# Altium PCB MAIN_BORAD.PcbDoc (part 3 of 3)
Units mm, origin at the board's own origin, x right, y up, seen from the top; angles counter-clockwise.
Board outline 92 x 100 mm, 2 copper layers (Top Layer, Bottom Layer), stack 1.471 mm thick; 222 components, 159 nets, 798 pads, 557 vias.
Unrouted connection lines stored in the file: 1.
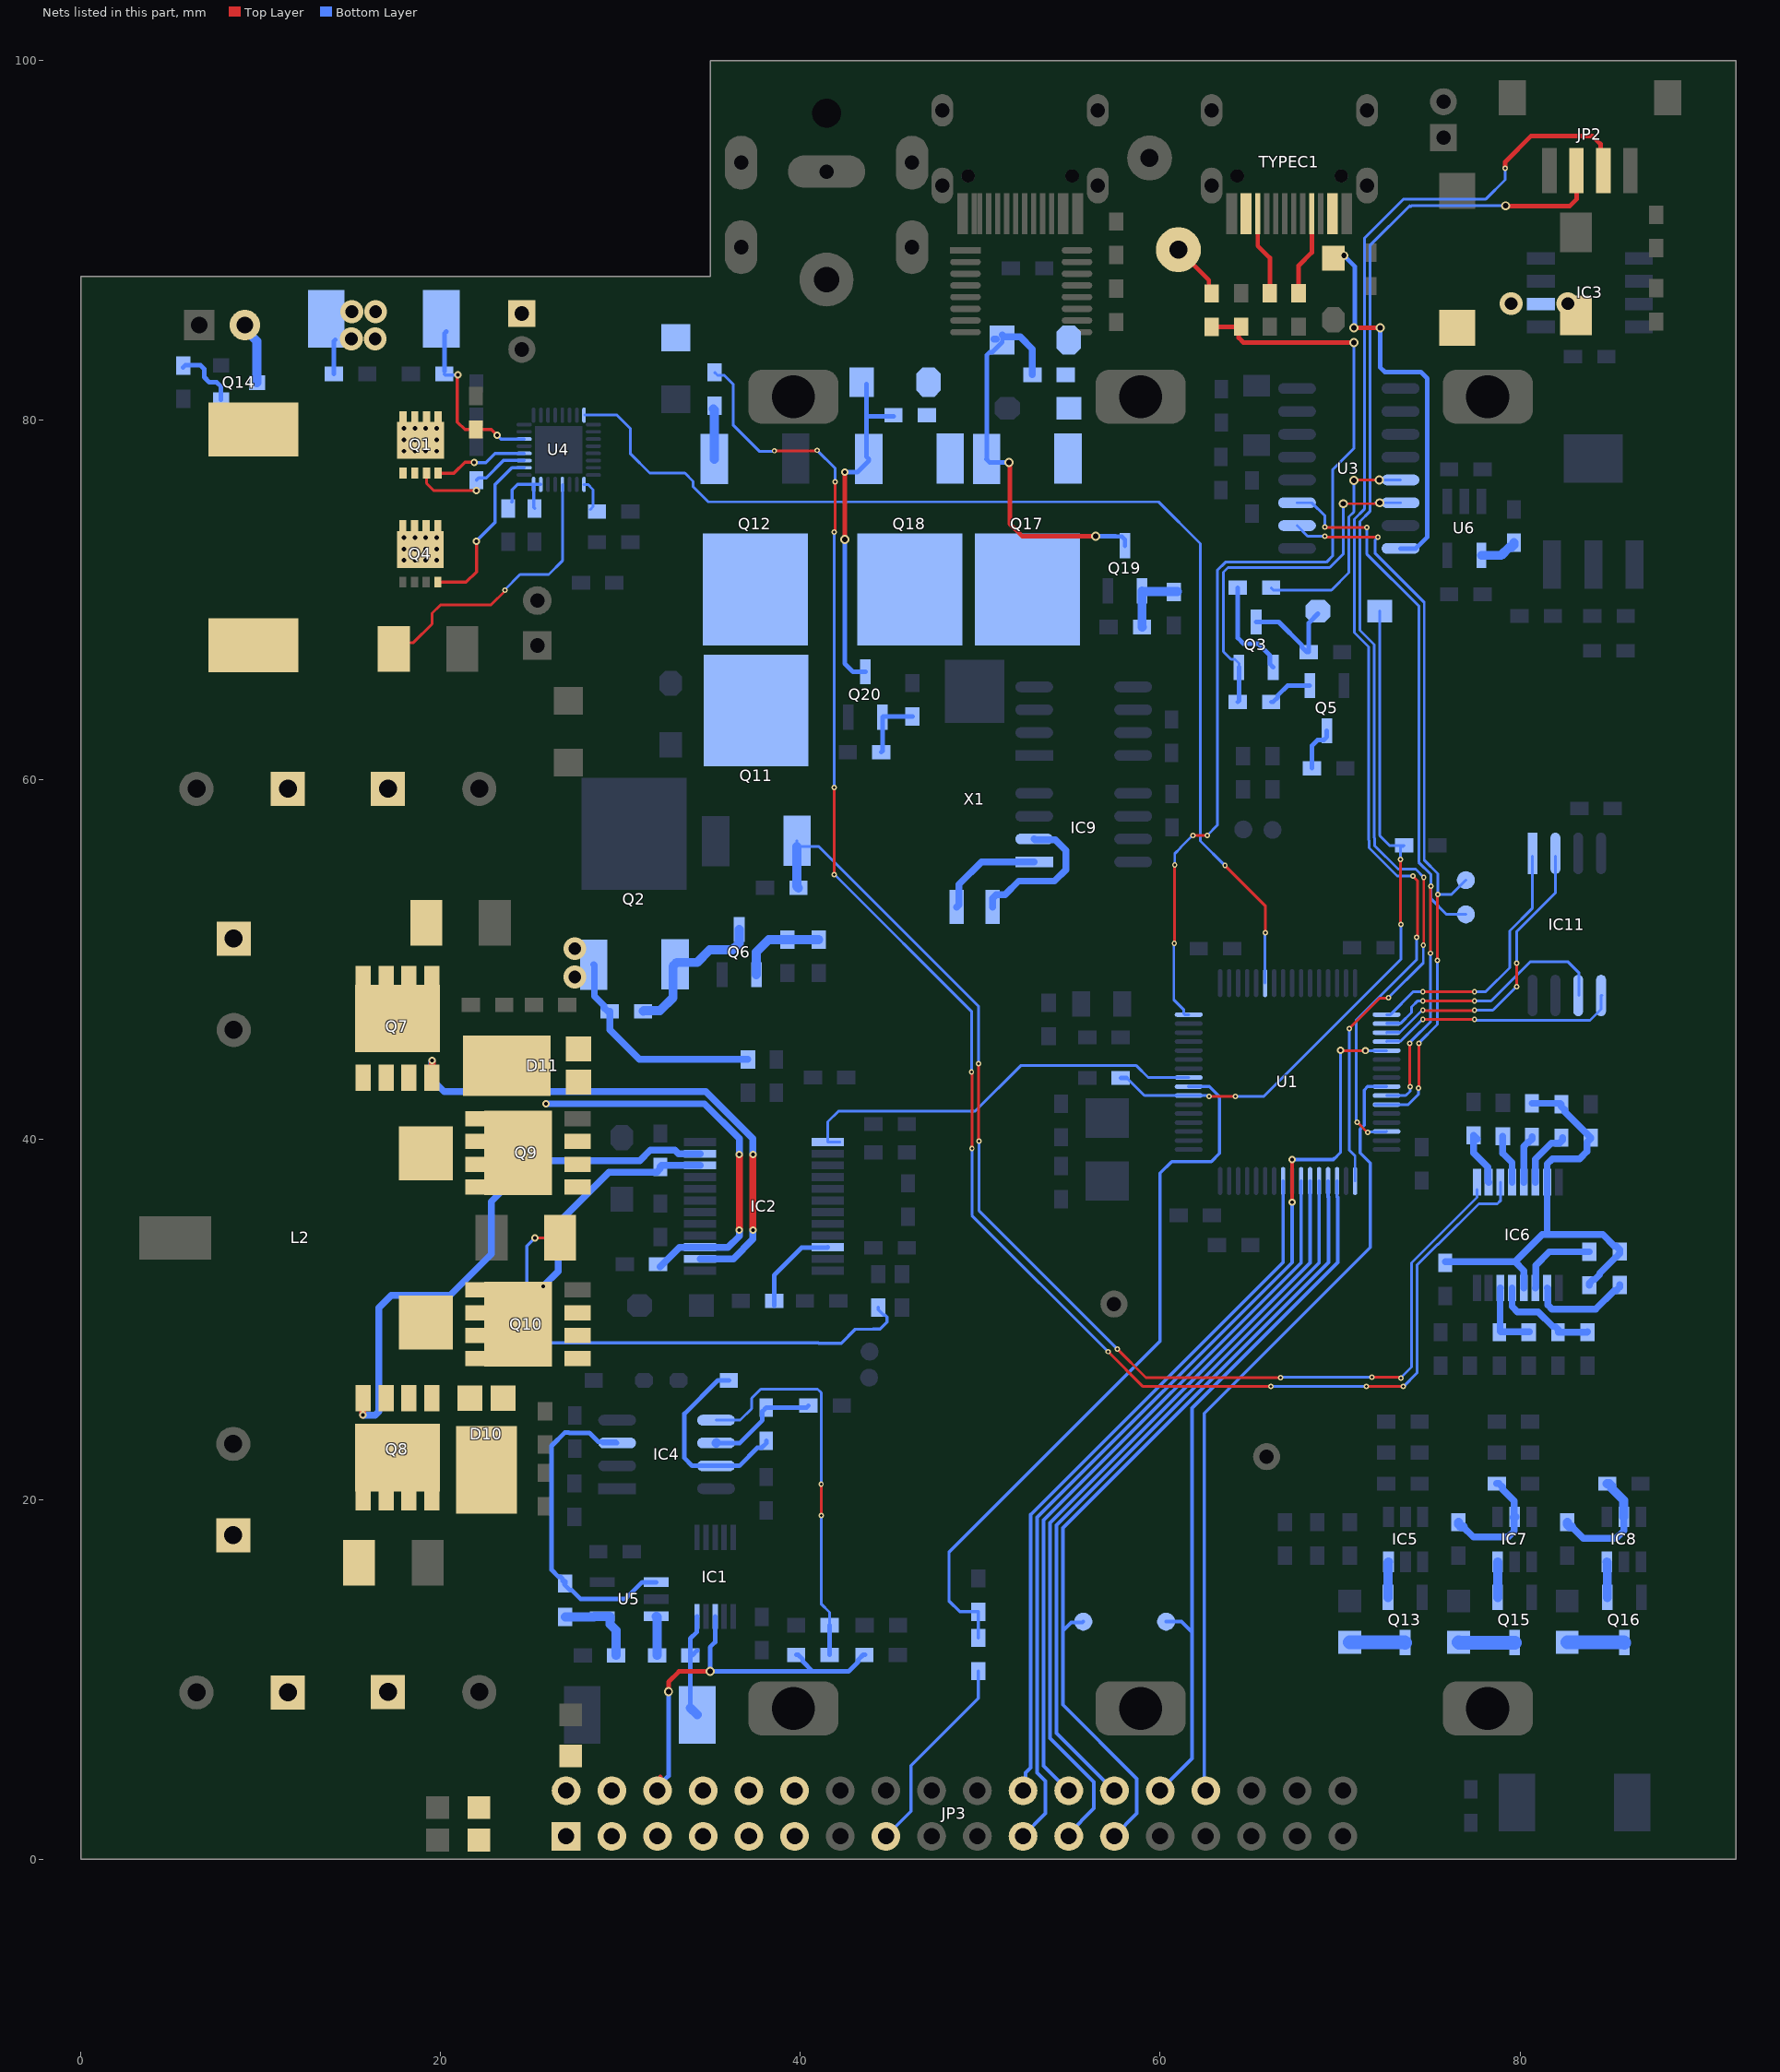
[diagram p3: the nets of this part, all layers, seen from the top]

## Via types
v1: diameter 0.305, hole 0.152, Top Layer to Bottom Layer, 193 vias
v2: diameter 0.508, hole 0.254, Top Layer to Bottom Layer, 114 vias
v3: diameter 0.406, hole 0.203, Top Layer to Bottom Layer, 102 vias
v4: diameter 2.032, hole 1.016, Top Layer to Bottom Layer, 73 vias
v5: diameter 1.27, hole 0.635, Top Layer to Bottom Layer, 35 vias
v6: diameter 0.508, hole 0.305, Top Layer to Bottom Layer, 25 vias
v7: diameter 1.27, hole 0.711, Top Layer to Bottom Layer, 14 vias
v8: diameter 0.762, hole 0.381, Top Layer to Bottom Layer, 1 vias

## Nets (pads, with @x,y where several pads share a name; then routed paths per layer and width w, separated by ;. In a path a pad name is that pad's centre, name@x,y a point inside that pad or via, vN(x,y) a via of type N, cw(c..) or ccw(c..) an arc to the next point about the centre after c; other vN are vias at no path point) (continued)
NetC43_2: C43.2 IC6.14 R43.2 | length 4.1
  Bottom Layer w0.381: IC6.14@78.908,31.758 78.892,31.743 78.892,29.35 78.918,29.324 R43.2@80.518,29.324
NetC44_2: C44.2 IC6.13 R44.2 | length 5.9
  Bottom Layer w0.381: IC6.13@79.558,31.758 79.558,30.729 79.858,30.429 81.013,30.429 81.826,29.616 81.953,29.616 82.144,29.426 82.144,29.299 83.718,29.299 R44.2@83.744,29.324
NetC48_2: C48.2 C49.2 C50.2 IC6.7 IC6.12 R48.1 R51.1 R53.1 | length 26.6
  Bottom Layer w0.381: C48.2@75.844,33.211 79.718,33.211 ; IC6.12@80.208,31.758 80.208,32.72 79.718,33.211 ; C49.2@80.67,42.024 82.245,42.024 C50.2@82.296,41.974 82.296,41.846 82.486,41.656 82.486,41.554 R53.1@83.922,40.119 83.922,40.053 83.73,39.862 83.73,39.356 83.318,38.945 81.807,38.945 81.508,38.646 IC6.7@81.508,37.634 81.508,34.747 81.483,34.722 ; R48.1@83.845,31.915 83.845,32.023 84.055,32.233 84.163,32.233 84.43,32.499 84.43,32.588 85.306,33.465 85.338,33.465 85.547,33.674 R51.1@85.547,33.782 85.547,33.89 85.338,34.099 85.23,34.099 84.607,34.722 81.483,34.722 ; 79.718,33.211 81.229,34.722 81.483,34.722
NetC49_1: C49.1 IC6.5 | length 2.8
  Bottom Layer w0.381: IC6.5@80.208,37.634 80.208,39.629 80.431,39.853 80.48,39.853 80.67,40.043 C49.1@80.67,40.17
NetC50_1: C50.1 IC6.6 | length 3.4
  Bottom Layer w0.381: IC6.6@80.858,37.634 80.858,38.923 81.737,39.802 82.182,39.802 82.372,39.992 C50.1@82.372,40.119
NetC51_1: C51.1 D9.1 IC4.7 | length 11.1
  Bottom Layer w0.254: D9.1@36.022,26.619 35.408,26.619 33.553,24.765 33.553,22.301 33.985,21.869 IC4.7@35.313,21.869 36.601,21.869 37.605,22.873 37.846,22.873 38.1,23.127 C51.1@38.1,23.254
NetC51_2: C51.2 IC4.6 R50.2 | length 6.3
  Bottom Layer w0.254: IC4.6@35.313,23.139 36.627,23.139 37.888,24.4 37.888,24.896 C51.2@38.1,25.108 40.335,25.108 R50.2@40.45,25.222
  Bottom Layer w0.508: IC4.6@35.313,23.139 IC4.6@35.33,23.157
NetC52_2: C52.2 IC7.2 R49.2 | length 6.8
  Bottom Layer w0.381: R49.2@76.835,18.478 77.406,17.907 79.35,17.907 79.68,18.237 IC7.2@79.68,19.005 ; C52.2@78.708,20.879 78.835,20.879 79.026,20.688 79.026,20.561 79.671,19.917 79.671,19.065 IC7.2@79.705,19.03
  Bottom Layer w0.508: R49.2@76.581,18.732 76.581,18.624 76.727,18.478 R49.2@76.835,18.478 ; IC7.2@79.68,19.005 IC7.2@79.705,19.03
NetC56_2: C56.2 U6.4 | length 2.2
  Bottom Layer w0.508: U6.4@77.861,72.49 78.955,72.49 79.4,72.936 79.527,72.936 79.654,73.063 C56.2@79.654,73.19
NetC57_2: C57.2 IC8.2 R62.2 | length 6.8
  Bottom Layer w0.381: R62.2@82.88,18.479 83.528,17.831 85.345,17.831 85.777,18.263 IC8.2@85.776,19.03
  Bottom Layer w0.508: R62.2@82.626,18.732 82.626,18.625 82.772,18.479 R62.2@82.88,18.479 ; C57.2@84.849,20.879 84.976,20.879 85.103,20.752 85.103,20.625 85.768,19.959 85.768,19.037 IC8.2@85.776,19.03
NetD2_2: D2.2 Q3.3 R1.1 | length 6
  Bottom Layer w0.254: Q3.3@65.329,68.783 66.587,68.783 67.882,67.488 67.882,67.38 68.155,67.107 R1.1@68.263,67.107 68.263,68.736 D2.2@68.77,69.244
NetD7_2: D7.2 IC3.2 L3.1
  other v7: 79.502,86.487 82.652,86.487
NetDZ1_1: DZ1.1 Q17.1 Q19.3 R14.1 | length 22.8
  Top Layer w0.254: v6(51.587,77.65) 51.587,77.582 51.638,77.531 51.638,74.244 52.324,73.558 v6(56.408,73.558)
  Bottom Layer w0.254: DZ1.1@51.221,84.734 51.221,84.345 50.648,83.772 50.503,83.772 50.354,83.623 Q17.1@50.354,77.845 50.343,77.834 50.526,77.65 v6(51.587,77.65) ; v6(56.408,73.558) 57.506,73.558 57.524,73.54 57.866,73.54 58.039,73.367 Q19.3@58.039,73.025
  Bottom Layer w0.381: DZ1.1@50.754,84.521 DZ1.1@50.879,84.521 ; DZ1.1@51.221,84.734 51.323,84.633 52.222,84.633 52.895,83.96 R14.1@52.895,82.525
NetDZ2_1: DZ2.1 Q18.1 Q20.3 R69.1 | length 19.4
  Top Layer w0.254: v6(42.469,73.381) v3(42.469,77.114)
  Bottom Layer w0.254: v6(42.469,73.381) 42.469,66.472 42.927,66.014 Q20.3@43.612,66.014 ; v3(42.469,77.114) 43.166,77.114 43.801,77.749 Q18.1@43.801,77.845 43.662,77.984 43.662,80.264 ; DZ2.1@43.662,82.017 43.662,80.264 ; R69.1@45.187,80.226 43.7,80.226 43.662,80.264
NetFAN_2: FAN.2 Q14.3 | length 3.5
  Bottom Layer w0.508: FAN.2@9.119,85.293 9.119,85.069 9.788,84.4 Q14.3@9.788,82.093
NetIC2_10: IC2.10 R24.1 | length 5.3
  Bottom Layer w0.254: R24.1@38.544,30.759 R24.1@38.544,31.039 38.544,32.474 40.069,33.998 41.499,33.998 IC2.10@41.523,34.022
NetIC4_3: IC4.3 R34.2 U5.1 | length 19.1
  Bottom Layer w0.254: R34.2@26.784,15.469 R34.2@26.924,15.329 26.924,15.437 26.651,15.71 26.543,15.71 26.162,16.091 26.162,22.979 26.912,23.729 27.122,23.729 27.153,23.698 28.27,23.698 28.763,23.206 29.747,23.206 IC4.3@29.813,23.139 IC4.3@29.007,23.139 ; R34.2@26.87,15.275 27.197,14.948 27.305,14.948 27.775,14.478 30.277,14.478 31.201,15.403 U5.1@31.98,15.403
NetIC4_5: IC4.5 R46.1 R52.2 | length 21.8
  Top Layer w0.152: v1(41.148,20.853) 41.161,20.84 v1(41.161,19.101)
  Bottom Layer w0.152: IC4.5@35.313,24.409 36.652,24.409 37.287,25.044 37.287,25.629 37.795,26.137 40.957,26.137 41.161,25.933 41.161,24.778 41.148,24.766 41.148,20.956 41.173,20.93 41.173,20.879 v1(41.148,20.853) ; v1(41.161,19.101) 41.161,14.212 41.148,14.199 41.618,13.729 R52.2@41.618,13.007
  Bottom Layer w0.254: R46.1@41.618,11.364 R52.2@41.618,13.005
NetIC5_6: IC5.6 Q13.1 | length 2
  Bottom Layer w0.508: Q13.1@72.659,14.554 72.659,16.505 IC5.6@72.685,16.53
NetIC6_1: IC6.1 Q11.1 R39.2 | length 67.4
  Top Layer w0.152: v1(49.911,44.221) 49.911,39.954 v1(49.936,39.929) ; v1(57.607,28.372) 59.207,26.772 v1(66.7,26.772) ; v1(71.768,26.797) 73.33,26.797 v1(73.381,26.746)
  Bottom Layer w0.152: Q11.1@39.808,56.622 39.808,56.312 41.011,56.312 42.443,54.88 48.801,48.522 49.911,47.412 v1(49.911,44.221) ; v1(49.936,39.929) 49.936,36.043 v1(57.607,28.372) ; v1(66.7,26.772) 66.726,26.797 v1(71.768,26.797) ; v1@73.381,26.772 73.965,27.356 73.965,33.157 77.608,36.801 IC6.1@77.608,37.235
  Bottom Layer w0.508: Q11.1@39.808,56.312 39.808,54.083 R39.2@39.891,54
NetIC6_2: IC6.2 R38.2 | length 3.3
  Bottom Layer w0.381: R38.2@77.629,40.037 R38.2@77.419,40.246 77.419,39.271 78.223,38.466 78.223,37.669 IC6.2@78.258,37.634
NetIC6_3: IC6.3 R41.1 | length 97.2
  Top Layer w0.152: v1(38.557,78.308) 40.894,78.308 v1(40.919,78.334) ; v1(41.877,54.744) v1(41.877,59.588) ; v1@41.91,73.787 41.935,73.812 v1(41.935,76.581) ; v1(49.505,43.764) 49.53,43.739 v1(49.53,39.522) ; v1@57.074,28.245 v1(57.099,28.219) 59.042,26.276 v1(66.142,26.276) ; v1(71.45,26.276) v1(73.52,26.276)
  Bottom Layer w0.152: R41.1@35.23,82.664 35.391,82.503 35.769,82.503 36.255,82.017 36.255,79.738 37.711,78.283 38.532,78.283 v1(38.557,78.308) ; v1(40.919,78.334) 41.935,77.318 v1(41.935,76.581) ; v1(41.877,54.744) 41.903,54.744 49.505,47.142 v1(49.505,43.764) ; v1(41.877,59.588) v1(41.877,73.787) ; v1(49.53,39.522) 49.53,35.789 v1(57.099,28.219) ; v1(66.142,26.276) v1(71.45,26.276) ; v1(73.52,26.276) 74.27,27.026 74.27,33.031 75.427,34.188 75.462,34.188 77.711,36.437 78.744,36.437 78.908,36.601 IC6.3@78.908,37.634
NetIC6_4: IC6.4 R47.2 | length 2.8
  Bottom Layer w0.381: R47.2@79.045,40.196 79.045,39.243 79.558,38.73 IC6.4@79.558,37.634
NetIC6_10: IC6.10 R51.2 | length 5.7
  Bottom Layer w0.381: IC6.10@81.508,31.758 81.543,31.724 81.543,30.821 81.782,30.582 84.201,30.582 85.23,31.61 85.338,31.61 85.547,31.82 R51.2@85.547,31.928
NetIC6_11: IC6.11 R48.2 | length 4.6
  Bottom Layer w0.381: IC6.11@80.858,31.758 80.874,31.774 80.874,33.02 81.623,33.769 R48.2@83.845,33.769
NetIC7_6: IC7.6 Q15.1 | length 2
  Bottom Layer w0.508: Q15.1@78.755,14.554 IC7.6@78.755,16.53
NetIC8_6: IC8.6 Q16.1 | length 2
  Bottom Layer w0.508: IC8.6@84.826,16.53 84.851,16.505 Q16.1@84.851,14.554
NetIC9_1: IC9.1 X1.1 | length 6
  Bottom Layer w0.381: X1.1@48.682,52.934 48.814,53.065 48.814,54.199 50.063,55.448 IC9.1@52.996,55.448
NetIC9_2: IC9.2 X1.2 | length 8.3
  Bottom Layer w0.381: X1.2@50.682,52.934 50.682,53.422 50.892,53.632 51.381,53.632 52.13,54.381 54.115,54.381 54.75,55.016 54.75,56.093 54.166,56.676 53.038,56.676 IC9.2@52.996,56.718
NetL1_2: L1.2 R7.1 U4.20 | length 15.9
  Top Layer w0.152: R7.1@17.59,67.285 17.945,67.64 18.491,67.64 19.528,68.677 19.528,69.268 19.983,69.723 22.784,69.723 23.597,70.536 v1(23.571,70.561)
  Bottom Layer w0.152: v1(23.571,70.561) 23.571,70.587 24.409,71.425 26.006,71.425 26.768,72.187 U4.20@26.768,76.434
NetQ1_4: Q1.4 U4.28 | length 5.4
  Top Layer w0.178: Q1.4@19.863,77.064 20.752,77.064 21.361,77.673 21.844,77.673 v3(21.869,77.648)
  Top Layer w0.254: Q1.4@19.863,77.064 19.863,77.035 Q1.4@19.936,76.962
  Bottom Layer w0.178: v3(21.869,77.648) 22.513,77.648 23.024,78.159 U4.28@24.643,78.159
NetQ2_1: Q2.1 Q6.3 R11.2 | length 8.7
  Bottom Layer w0.508: R11.2@31.255,47.142 31.289,47.176 32.19,47.176 32.917,47.903 32.917,49.647 Q2.1@33.034,49.764 33.126,49.856 34.26,49.856 34.958,50.554 36.228,50.554 36.601,50.927 Q6.3@36.601,51.688
NetQ3_1: Q3.1 R6.2 | length 5.7
  Bottom Layer w0.254: R6.2@64.313,70.688 64.313,67.894 64.618,67.589 65.43,67.589 66.106,66.914 66.106,66.442 Q3.1@66.279,66.269
NetQ3_2: Q3.2 R8.1 U3.14 | length 20.9
  Top Layer w0.152: v6(70.18,75.362) 72.009,75.362 v6@72.06,75.413
  Bottom Layer w0.152: Q3.2@64.379,66.269 64.379,66.484 64.155,66.708 63.939,66.708 63.512,67.135 63.512,71.552 63.766,71.806 69.418,71.806 70.18,72.568 v6(70.18,75.362) ; v6@71.982,75.413 v6(72.212,75.413) U3.14@73.358,75.413
  Bottom Layer w0.254: R8.1@64.313,64.338 64.379,64.404 Q3.2@64.379,66.269
NetQ4_4: Q4.4 U4.26 | length 9.7
  Top Layer w0.178: Q4.4@19.847,70.997 21.416,70.997 21.996,71.577 v3(21.996,73.279)
  Bottom Layer w0.178: v3(21.996,73.279) 21.987,73.289 23.012,74.314 23.012,76.411 23.96,77.359 U4.26@24.643,77.359
NetQ5_1: Q5.1 R8.2 | length 2.6
  Bottom Layer w0.254: R8.2@66.167,64.338 66.275,64.338 66.548,64.611 66.548,64.719 67.081,65.253 Q5.1@68.316,65.253
NetQ5_3: Q5.3 R10.1 | length 2.6
  Bottom Layer w0.254: R10.1@68.44,60.655 68.44,61.913 68.751,62.223 69.093,62.223 69.266,62.396 Q5.3@69.266,62.739
NetQ6_1: Q6.1 R12.2 R13.2 | length 5
  Bottom Layer w0.508: Q6.1@37.551,49.174 37.551,50.429 38.24,51.117 R12.2@39.268,51.117 R13.2@41.021,51.117
NetQ11_2: Q11.2 Q12.2
NetQ12_1: Q12.1 R41.2 | length 2.8
  Bottom Layer w0.508: R41.2@35.154,80.632 35.216,80.57 Q12.1@35.216,77.845
NetQ13_3: Q13.3 R35.2 | length 3.1
  Bottom Layer w0.762: R35.2@70.536,12.065 73.585,12.065 Q13.3@73.609,12.04
NetQ14_1: Q14.1 R40.1 | length 3.6
  Bottom Layer w0.254: R40.1@5.69,82.947 5.801,83.058 6.655,83.058 6.859,82.853 6.859,82.396 7.137,82.118 7.544,82.118 7.788,81.874 Q14.1@7.788,81.143
NetQ15_3: Q15.3 R45.2 | length 3.1
  Bottom Layer w0.762: R45.2@76.581,12.065 76.606,12.04 Q15.3@79.705,12.04
NetQ16_3: Q16.3 R55.2 | length 3.2
  Bottom Layer w0.762: R55.2@82.626,12.065 85.777,12.065 Q16.3@85.801,12.04
NetQ17_2: Q17.2 Q18.2
NetQ19_1: Q19.1 R58.2 R70.2 | length 4
  Bottom Layer w0.508: R58.2@58.991,68.504 58.989,68.506 Q19.1@58.989,70.511 59.028,70.472 R70.2@60.96,70.472
NetQ20_1: Q20.1 R71.2 R72.2 | length 3.7
  Bottom Layer w0.254: R72.2@44.488,61.544 44.562,61.618 Q20.1@44.562,63.5 44.6,63.538 R71.2@46.228,63.538
NetR6_1: R6.1 U3.13 | length 13
  Top Layer w0.152: v6(70.764,76.657) 70.79,76.683 v6(72.187,76.683) v6@72.06,76.683
  Bottom Layer w0.152: R6.1@66.167,70.688 66.294,70.561 69.52,70.561 70.485,71.526 70.485,74.625 70.764,74.905 v6(70.764,76.657) ; v6@71.982,76.683 v6(72.187,76.683) U3.13@73.358,76.683
NetR28_2: R28.2 U5.3 | length 2.2
  Bottom Layer w0.508: U5.3@31.98,13.503 32.008,13.503 32.029,13.482 R28.2@32.029,11.328
NetR33_2: R33.2 R34.1 U5.4 | length 4.8
  Bottom Layer w0.508: R34.1@26.924,13.475 28.527,13.475 28.555,13.503 U5.4@28.98,13.503 29.405,13.503 29.426,13.482 29.426,13.057 29.756,12.726 R33.2@29.756,11.328
NetR65_2: R65.2 U4.17 | length 1.8
  Bottom Layer w0.152: U4.17@27.968,76.434 28.189,76.434 28.473,76.149 28.473,75.191 R65.2@28.324,75.042
NetR73_1: R73.1 TYPEC1.A5 | length 4.7
  Top Layer w0.254: R73.1@67.691,87.058 67.691,88.595 68.423,89.327 TYPEC1.A5@68.423,91.485
NetR74_2: R74.2 TYPEC1.B5 | length 4.7
  Top Layer w0.254: TYPEC1.B5@65.423,91.485 65.423,89.695 66.091,89.027 R74.2@66.091,87.058
PGGOOD: IC2.1 U1.9 | length 23.4
  Bottom Layer w0.152: IC2.1@42.198,39.872 IC2.1@41.523,39.872 41.523,40.995 42.107,41.58 49.702,41.58 52.242,44.12 58.675,44.12 59.339,43.456 U1.9@61.582,43.456
RELAY_EN: JP3.30 U1.41 | length 44.4
  Bottom Layer w0.178: JP3.30@62.509,3.81 62.459,3.861 62.459,5.103 62.459,5.311 62.459,6.876 62.461,6.878 62.461,9.873 62.459,9.875 62.459,12.913 62.459,24.624 62.459,24.794 71.679,34.015 71.679,38.71 71.118,39.27 71.118,40.589 71.336,40.807 71.336,42.759 71.532,42.956 U1.41@72.581,42.956
RESET: C22.2 D2.1 R18.2 U1.7 | length 39.7
  Top Layer w0.152: v1(62.713,42.418) v1(64.186,42.418) ; v1(73.355,55.578) 73.368,55.565 73.368,51.981 v1(73.381,51.968)
  Bottom Layer w0.152: C22.2@58.141,43.434 59.119,42.456 U1.7@61.582,42.456 62.634,42.456 62.671,42.418 v1(62.713,42.418) ; v1(64.186,42.418) 65.769,42.418 73.381,50.03 v1(73.381,51.968) ; D2.1@72.2,69.393 72.2,56.909 72.746,56.363 R18.2@73.558,56.363 73.508,56.312 73.355,56.312 v1(73.355,55.578)
  Bottom Layer w0.254: C22.2@57.81,43.434 C22.2@58.141,43.434
SC_PSTOP: U1.22 U4.8 | length 64.1
  Top Layer w0.152: v1(63.602,55.245) 65.837,53.01 v1(65.837,51.511)
  Bottom Layer w0.152: U4.8@27.999,80.284 29.8,80.284 30.556,79.527 30.556,78.129 31.622,77.064 33.579,77.064 34.036,76.606 34.036,76.305 34.878,75.463 59.916,75.463 62.23,73.15 62.23,56.617 v1(63.602,55.245) ; U1.22@65.831,48.705 65.831,51.506 v1(65.837,51.511)
SEN+: D11.1 D11.2 Q9.1 Q9.2 Q9.3 Q10.1 Q10.2 Q10.3 R17.2 R20.2 | length 28.6
  Top Layer w0.152: v3(25.248,34.544) R17.2@26.645,34.544
  Bottom Layer w0.178: v3(25.248,34.544) 24.79,34.087 24.79,29.388 25.476,28.702 40.998,28.702 41.01,28.689 42.269,28.689 43.043,29.464 44.025,29.464 44.038,29.477 44.434,29.477 44.818,29.861 44.818,30.147 44.714,30.251 44.634,30.251 44.323,30.562 R20.2@44.323,30.67
SPI1_MOSI: JP3.22 U1.57 | length 40.1
  Bottom Layer w0.203: JP3.22@52.349,3.81 52.521,3.982 52.521,4.794 52.654,4.928 ; U1.57@66.831,37.706 66.831,33.172 52.807,19.148 52.807,5.08 ; 52.654,4.928 52.807,5.08 ; 52.654,4.928 52.807,5.08
SPI1_SCK: JP3.24 U1.55 | length 40.4
  Bottom Layer w0.203: JP3.24@54.889,3.81 53.518,5.182 53.518,18.853 67.831,33.166 U1.55@67.831,37.706
SPI2_CS: IC11.1 U1.33 | length 14.7
  Top Layer w0.152: v1@74.625,48.235 v1(77.47,48.235)
  Bottom Layer w0.152: U1.33@72.581,46.956 72.8,46.956 74.079,48.235 v1@74.625,48.235 ; v1(77.47,48.235) 78.095,48.235 79.426,49.566 79.426,51.612 80.696,52.882 IC11.1@80.696,55.766
  other v1: 74.6,48.235
SPI2_MISO: IC11.2 U1.35 | length 16.4
  Top Layer w0.152: v1@74.6,47.168 v1@77.445,47.168 ; v1(79.807,48.514) v1(79.807,49.809)
  Bottom Layer w0.152: U1.35@72.581,45.956 72.6,45.974 73.331,45.974 74.559,47.202 v1(74.6,47.202) ; v1(77.47,47.202) 78.494,47.202 v1(79.807,48.514) ; v1(79.807,49.809) 79.807,51.562 81.966,53.721 IC11.2@81.966,55.766
SPI2_MOSI: IC11.5 U1.36 | length 13.5
  Top Layer w0.152: v1(74.6,46.685) v1(77.47,46.685)
  Bottom Layer w0.152: U1.36@72.581,45.456 72.6,45.474 73.356,45.474 74.567,46.685 v1(74.6,46.685) ; v1(77.47,46.685) 77.515,46.64 83.895,46.64 84.506,47.251 IC11.5@84.506,48.018 ; IC11.5@84.557,48.018 IC11.5@84.557,48.031
SPI2_SCK: IC11.6 U1.34 | length 14.6
  Top Layer w0.152: v1@74.625,47.727 77.445,47.727 v1@77.47,47.701
  Bottom Layer w0.152: v1@74.625,47.727 74.32,47.727 73.973,47.379 73.973,47.074 73.373,46.474 ; v1(77.47,47.718) 78.388,47.718 80.555,49.886 82.677,49.886 83.268,49.295 83.268,48.05 IC11.6@83.287,48.031 ; 73.373,46.474 72.6,46.474 U1.34@72.581,46.456 73.354,46.456 73.373,46.474
  other v1: 74.6,47.718
SW: C10.1 L1.1 Q1.1 Q1.2 Q1.3 Q4.5 Q4.6 Q4.7 Q4.8 U4.27 | length 6.6
  Top Layer w0.152: Q1.3@19.213,77.064 19.213,76.494 19.609,76.098 v3(21.996,76.098)
  Bottom Layer w0.178: C10.1@21.987,76.67 22.114,76.797 22.53,76.797 23.492,77.759 U4.27@24.643,77.759
  other v2: 17.958,72.212 18.567,72.212 19.177,72.212 19.787,72.212 17.958,72.847 18.567,72.847 19.177,72.847 19.787,72.847 17.958,73.482 18.567,73.482 19.177,73.482 19.787,73.482
SW1: C16.1 D10.1 D10.2 IC2.22 L2.1 Q8.1 Q8.2 Q8.3 Q10.5 Q10.6 Q10.7 Q10.8 | length 13.1
  Bottom Layer w0.381: v3(25.705,31.852) 26.543,32.69 26.543,35.382 29.362,38.202 32.017,38.202 32.207,38.392 C16.1@32.207,38.494 32.285,38.572 IC2.22@34.423,38.572
SW2: C15.1 D11.3 IC2.15 L2.2 Q7.1 Q7.2 Q7.3 Q9.5 Q9.6 Q9.7 Q9.8 | length 22.1
  Top Layer w0.381: v3(36.6,39.176) 36.601,39.175 v3(36.601,34.976)
  Bottom Layer w0.381: v3(25.857,41.999) 34.666,41.999 36.6,40.065 v3(36.6,39.176) ; C15.1@32.207,32.944 33.268,34.005 34.406,34.005 IC2.15@34.423,34.022 35.977,34.022 36.6,34.644 36.6,34.974 v3(36.601,34.976)
SWCLK: JP2.3 U1.49 | length 70.7
  Top Layer w0.152: v1(70.503,46.176) 72.206,47.879 72.669,47.879 v1(72.695,47.904) ; v1(74.625,50.817) 74.651,50.843 v1(74.651,54.59) v1@74.651,54.661
  Top Layer w0.254: v6(79.197,91.923) 79.201,91.919 82.775,91.919 83.137,92.281 JP2.3@83.137,93.878
  Bottom Layer w0.152: v1(70.503,46.176) 70.503,39.436 70.831,39.108 U1.49@70.831,37.706 ; v1(72.695,47.904) 74.625,49.835 v1(74.625,50.817) ; v1(74.651,54.59) 74.199,55.042 73.227,55.042 71.913,56.357 71.913,56.765 71.895,56.782 71.895,67.527 71.095,68.327 71.095,74.373 71.653,74.931 71.653,89.713 73.863,91.923 73.914,91.872 73.965,91.923 v6(79.197,91.923)
SWDIO: JP2.2 U1.46 | length 72.5
  Top Layer w0.152: v1(70.942,40.97) 70.955,40.97 71.514,40.411 v1(71.526,40.411) ; v1(74.041,54.661) 74.295,54.407 74.295,51.308 v1(74.244,51.257)
  Top Layer w0.254: v1(79.172,94.005) 79.172,94.361 80.62,95.809 84.023,95.809 84.471,95.361 84.471,94.044 JP2.2@84.637,93.878
  Bottom Layer w0.152: v1(70.942,40.97) 70.884,41.028 70.884,46.638 74.244,49.998 v1(74.244,51.257) ; v1(71.526,40.411) 71.552,40.437 72.562,40.437 U1.46@72.581,40.456 ; v1(74.041,54.661) 73.177,54.661 71.608,56.23 71.608,56.638 71.59,56.656 71.59,67.4 70.79,68.2 70.79,74.499 71.349,75.058 71.349,90.119 73.533,92.304 78.105,92.304 79.172,93.37 v1(79.172,94.005)
TC_VCC: D1.1 TYPEC1.A4 TYPEC1.A9 TYPEC1.B4 TYPEC1.B9 U3.16 | length 21.5
  Top Layer w0.254: v6(70.764,85.141) 70.767,85.144 70.77,85.141 v6(72.238,85.141)
  Bottom Layer w0.254: v6(70.216,89.154) 70.813,88.557 v6@70.813,85.065 ; v6(72.238,85.141) 72.238,82.929 72.49,82.677 74.496,82.677 74.852,82.321 74.852,73.508 74.39,73.046 74.375,73.046 74.202,72.873 U3.16@73.358,72.873
TFT_BLK: JP3.21 U1.37 | length 55.3
  Top Layer w0.152: v3(70.028,44.968) 70.038,44.958 v3(71.399,44.958)
  Top Layer w0.203: v3(67.335,36.525) v3(67.335,38.887)
  Bottom Layer w0.152: 69.672,38.938 70.028,39.294 v3(70.028,44.968) ; v3(71.399,44.958) 71.402,44.956 U1.37@72.581,44.956
  Bottom Layer w0.203: JP3.21@52.349,1.27 53.619,2.54 53.619,4.343 53.162,4.801 53.162,19 67.331,33.169 67.331,36.521 v3(67.335,36.525) ; v3(67.335,38.887) 69.621,38.887 69.672,38.938
TFT_DC: JP3.26 U1.53 | length 41.3
  Bottom Layer w0.203: JP3.26@57.429,3.81 54.229,7.01 54.229,18.558 68.831,33.161 U1.53@68.831,37.706
TFT_RES: JP3.23 U1.54 | length 44
  Bottom Layer w0.203: JP3.23@54.889,1.27 54.889,1.397 56.312,2.819 56.312,4.293 53.873,6.731 53.873,18.706 68.331,33.164 U1.54@68.331,37.706
TG1: IC2.23 Q8.4 | length 31
  Top Layer w0.381: v3(15.672,24.689) 15.677,24.694 15.677,25.606 Q8.4@15.697,25.627
  Bottom Layer w0.381: v3(15.672,24.689) 16.358,24.689 16.561,24.892 16.561,30.658 17.247,31.344 20.523,31.344 22.822,33.642 22.822,36.563 25.095,38.837 31.064,38.837 31.648,39.421 33.02,39.421 33.219,39.222 IC2.23@34.423,39.222
TG2: IC2.14 Q7.4 | length 30.2
  Top Layer w0.381: Q7.4@19.507,43.449 19.528,43.47 19.528,44.394 v3(19.533,44.399) ; v3(37.363,34.976) v3(37.363,39.176)
  Bottom Layer w0.381: v3(19.533,44.399) 19.533,44.392 19.507,44.367 19.507,43.358 20.193,42.672 34.747,42.672 37.363,40.056 v3(37.363,39.176) ; IC2.14@34.423,33.372 36.267,33.372 37.363,34.468 v3(37.363,34.976)
U1_RX: U1.43 U1R.1 U3.2 | length 42.4
  Top Layer w0.152: v1@69.19,73.558 69.244,73.504 v1(72.107,73.504) ; v1(74.346,42.877) 74.371,42.903 v1(74.371,45.364) ; v1(75.413,49.962) 75.413,53.696 v1@75.438,53.67 ; v1(75.438,53.645) v1@75.438,53.67 ; v1@75.438,53.721 v1@75.438,53.67
  Bottom Layer w0.152: U3.2@67.608,74.143 68.192,73.558 v1(69.162,73.558) ; U1.43@71.913,41.956 U1.43@72.581,41.956 73.787,41.956 74.346,42.514 v1(74.346,42.877) ; v1(72.107,73.504) 71.958,73.355 71.958,72.593 74.676,69.875 74.676,55.55 75.438,54.788 v1(75.438,53.645) 76.2,53.645 U1R.1@76.987,54.432 ; v1(74.371,45.364) 75.413,46.406 v1(75.413,49.962)
U1_TX: U1.42 U1T.1 U3.3 | length 42.5
  Top Layer w0.152: v1@69.19,74.067 69.216,74.041 v1(71.476,74.041) ; v1(73.876,45.364) 73.876,42.964 v1(73.889,42.951) ; v1(75.032,50.368) 75.032,54.077 v1(75.057,54.102)
  Bottom Layer w0.152: U3.3@67.608,75.413 68.426,75.413 69.162,74.676 v1(69.162,74.066) ; v1(71.476,74.041) 71.476,72.574 74.371,69.678 74.371,55.424 75.057,54.738 v1(75.057,54.102) 75.057,53.388 75.918,52.527 U1T.1@76.987,52.527 ; U1.42@72.581,42.456 73.647,42.456 73.889,42.697 v1(73.889,42.951) ; v1(73.876,45.364) 73.876,45.406 73.99,45.52 73.99,45.522 75.032,46.564 v1(75.032,50.368)
U3_RX: JP3.25 U1.52 U3R.1 | length 46.1
  Bottom Layer w0.203: U3R.1@55.728,13.208 55.679,13.16 55.044,13.16 54.585,12.7 ; JP3.25@57.429,1.27 58.699,2.54 58.699,4.47 54.585,8.585 54.585,12.7 ; U1.52@69.331,37.706 69.331,36.829 69.351,36.809 69.351,33.178 54.585,18.411 54.585,12.7
U3_TX: JP3.28 U1.51 U3T.1 | length 39.7
  Bottom Layer w0.203: JP3.28@59.969,3.81 61.76,5.601 61.76,7.165 61.762,7.167 61.762,9.583 61.76,9.585 61.76,25.084 69.859,33.183 69.859,36.801 69.831,36.829 U1.51@69.831,37.706 ; U3T.1@60.325,13.208 61.176,13.208 61.76,12.624
VBUS: E3.1 E4.1 E9.1 EK2.2 Q1.5 Q1.6 Q1.7 Q1.8 Q2.3 Q7.5 Q7.6 Q7.7 Q7.8 R2.2 R5.2 R11.1 R21.1 | length 14.4
  Bottom Layer w0.254: R5.2@14.072,82.575 14.072,84.404 R2.2@14.148,84.48
  Bottom Layer w0.381: Q2.3@28.513,49.739 28.549,49.703 28.549,47.994 29.083,47.46 29.083,47.352 29.293,47.142 R11.1@29.4,47.142 29.4,46.103 31.041,44.463 R21.1@37.084,44.463
  other v2: 17.958,78.283 18.567,78.283 19.177,78.283 19.787,78.283 17.958,78.918 18.567,78.918 19.177,78.918 19.787,78.918 17.958,79.553 18.567,79.553 19.177,79.553 19.787,79.553
  other v7: 27.457,49.047 27.457,50.622 15.037,84.531 16.358,84.531 15.062,86.041 16.383,86.041
VDRV: C12.2 C13.2 U4.23 U4.24 | length 3.8
  Bottom Layer w0.178: C12.2@23.952,75.451 23.975,75.474 23.975,76.121 24.288,76.434 U4.24@25.168,76.434 ; C13.2@25.222,75.095 25.168,75.149 U4.24@25.168,76.434 ; U4.23@25.568,76.434 U4.24@25.168,76.434
VIN: C11.1 DZ2.2 E1.1 EK4.1 Q18.3 R2.1 R4.2 R69.2 U4.30 | length 9.8
  Top Layer w0.178: v3(20.955,82.525) 20.93,82.499 20.93,79.908 21.349,79.489 C11.1@21.958,79.489 22.822,79.489 v3(23.139,79.172)
  Bottom Layer w0.178: R4.2@20.206,82.575 20.256,82.525 v3(20.955,82.525) ; v3(23.139,79.172) 23.352,78.959 U4.30@24.643,78.959
  Bottom Layer w0.254: R4.2@20.206,82.728 20.206,84.823 R2.1@20.32,84.938
VIN_DC: D5.1 DZ1.2 Q17.3 R14.2 R57.1 RF1.1 | length 3.2
  Top Layer w0.254: RF1.1@61.011,89.484 62.706,87.789 62.706,87.208 R57.1@62.865,87.049
VIN_DEC: R57.2 R64.1 U1.16 | length 54.6
  Top Layer w0.152: v1(60.782,50.927) 60.795,50.94 60.795,55.258 v1(60.808,55.27) ; v1(61.824,56.921) v1(62.611,56.921)
  Top Layer w0.254: R57.2@62.865,85.194 R64.1@64.481,85.194 ; R64.1@64.491,85.204 R64.1@64.481,85.194 ; R64.1@64.643,85.194 R64.1@64.694,85.144 ; v6(70.764,84.328) 64.618,84.328 64.364,84.582 64.364,85.077 R64.1@64.481,85.194
  Bottom Layer w0.152: v1(60.782,50.927) 60.757,50.902 60.757,47.781 61.317,47.22 61.317,47.001 61.362,46.956 U1.16@61.582,46.956 ; v1(60.808,55.27) 60.808,55.909 61.126,56.227 61.126,56.249 61.798,56.921 v1(61.824,56.921) ; v1(62.611,56.921) 63.17,57.48 63.17,71.653 63.627,72.111 69.24,72.111 69.594,72.464 69.594,77.265 70.764,78.435 v6(70.764,84.328)
VOUT: C3.1 C35.1 C38.1 D10.3 E5.1 E6.1 E8.1 EK1.2 IC1.8 JP3.1 JP3.2 JP3.3 JP3.4 JP3.5 JP3.6 Q8.5 Q8.6 Q8.7 Q8.8 R25.2 R46.2 | length 23.3
  Top Layer w0.254: JP3.6@31.953,3.835 32.211,4.093 JP3.6@32.211,4.576 ; v6(32.664,9.322) 32.664,9.855 33.249,10.439 v6(34.976,10.439)
  Bottom Layer w0.254: JP3.6@32.029,3.81 32.029,3.997 32.664,4.632 v6(32.664,9.322) ; IC1.8@35.255,13.497 35.255,12.065 34.976,11.786 v6(34.976,10.439) 40.688,10.439 ; R46.2@39.764,11.364 39.872,11.364 40.145,11.091 40.145,10.983 40.688,10.439 ; R25.2@43.599,11.364 43.491,11.364 43.218,11.091 43.218,10.983 42.675,10.439 40.688,10.439
VOUT_DEC: R56.2 R63.1 U1.8 | length 40.8
  Bottom Layer w0.178: R56.2@49.886,12.306 R63.1@49.886,13.754 48.857,13.754 48.26,14.351 48.26,17.061 59.995,28.796 59.995,38.137 60.643,38.786 62.846,38.786 63.297,39.237 63.297,42.393 62.734,42.956 U1.8@61.582,42.956
VOUT_GND: IC1.10 JP3.7 JP3.8 JP3.9 JP3.10 JP3.11 JP3.12 R28.1 R30.2 | length 6.3
  Bottom Layer w0.254: R30.2@33.884,8.407 R28.1@33.884,11.328 ; R28.1@34.255,11.601 33.982,11.328 R28.1@33.884,11.328 ; IC1.10@34.255,13.497 34.243,13.485 34.243,12.628 33.884,12.268 R28.1@33.884,11.328
  Bottom Layer w0.508: R30.2@33.884,8.407 R30.2@34.264,8.026
VOUT_OUT: JP3.15 R56.1 | length 11.3
  Bottom Layer w0.178: JP3.15@44.653,1.295 JP3.15@44.679,1.295 ; JP3.15@44.755,1.27 46.152,2.667 46.152,5.207 49.886,8.941 R56.1@49.886,10.452
pads on no net: CON1.0 CON1.4 IC1.3 IC5.1 IC5.4 IC5.5 IC6.8 IC6.9 IC7.1 IC7.4 IC7.5 IC8.1 IC8.4 IC8.5 IC9.7 JP2.0 L2.0 TYPEC1. TYPEC1.A8 TYPEC1.B8 TYPEC2. TYPEC2.A6 TYPEC2.A7 TYPEC2.A8 TYPEC2.B6 TYPEC2.B7 TYPEC2.B8 U1.44 U1.45 U1.56 U2.1 U2.3 U2.4 U2.6 U2.7 U2.8 U2.9 U2.10 U2.14 U2.15 U3.9 U3.10 U3.11 U3.12 U3.15 U4.1 U4.2 U4.3 U4.4 U4.5 U4.6 U4.11 U4.14 U4.15 U4.16 U4.22 V1.4 X1.0

## Polygon pours and split planes (outlines as drawn)
no net on Top Layer "Top Layer-No Net 1" (solid, remove dead copper, pour order 1082): 58.649,62.586
AGND on Top Layer "Top Layer-No Net1" (solid, remove dead copper, pour order 1080): 0,0 92,0 92,100 35,100 35,88 0,88 0,87.986
BAT+ on Top Layer "Top Layer-BAT+" (solid, pour order 1003): 20.142,68.834 20.142,65.837 23.8,65.837 26.111,63.525 27.965,63.525 27.965,65.507 27.711,65.507 27.711,68.834
TC_VCC on Top Layer "Top Layer-TC_VCC" (solid, pour order 1016): 64.44,90.322 65.1,90.322 65.1,92.7 69.266,92.7 69.266,89.789 68.834,89.789 68.834,88.189 70.256,88.189 70.256,94.005 64.44,94.005
VBUS on Top Layer "Top Layer-VBUS" (solid, remove dead copper, pour order 1070): 19.785,50.343 26.645,50.343 26.645,51.308 29.286,51.308 29.286,48.362 19.785,48.362
VBUS on Top Layer "Top Layer-VBUS 3" (solid, remove dead copper, pour order 1068): 9.703,60.833 9.703,54.356 6.751,54.356 6.751,48.666 14.707,48.666 14.707,44.78 20.244,44.78 20.244,60.833
DGND on Top Layer "Top Layer-DGND" (solid, remove dead copper, pour order 1076): 73.203,51.308 61.291,51.308 58.396,48.412 53.137,48.412 53.137,46.456 54.966,46.456 54.966,43.891 53.721,42.647 53.721,36.068 56.312,33.477 65.799,33.477 65.811,33.465 69.278,36.932 75.209,36.932 75.209,49.486
SW on Top Layer "Top Layer-SW" (solid, pour order 1001): 7.01,77.927 15.284,77.927 15.284,71.679 20.422,71.679 20.422,76.505 19.406,76.505 19.406,77.445 17.069,77.445 17.069,80.239 13.106,80.239 13.106,81.128 7.01,81.128
VOUT on Top Layer "Top Layer-VOUT" (solid, remove dead copper, pour order 1042): 24.488,24.206 14.986,24.206 14.986,20.32 6.883,20.32 6.883,13.945 9.347,11.481 9.347,7.417 17.628,7.417 21.463,3.581 21.463,0.076 33.35,0.076 33.35,5.283 24.257,5.283 19.634,9.906 19.634,11.176 13.868,11.176 13.868,14.884 17.323,14.884 17.323,18.44 24.538,18.44
SEN+ on Top Layer "Top Layer-SEN+" (solid, remove dead copper, pour order 1028): 26.772,46.126 26.772,36.398 25.527,36.398 25.527,32.715 26.772,32.715 26.772,26.06 29.439,26.06 29.439,46.126
SW1 on Top Layer "Top Layer-SW1" (solid, remove dead copper, pour order 1037): 17.12,31.42 16.434,30.734 16.434,24.765 24.638,24.765 24.638,26.086 26.34,26.086 26.34,32.156 21.158,32.156 20.446,31.444
SW2 on Top Layer "Top Layer-SW2" (solid, remove dead copper, pour order 1035): 15.189,44.272 15.189,39.395 16.942,37.643 20.32,37.643 21.133,36.83 26.34,36.83 26.34,46.177 20.879,46.177 20.879,44.272
VBUS on Top Layer "Top Layer-VBUS 1" (solid, pour order 1000): 12.522,87.02 12.522,83.668 13.411,83.668 13.411,80.569 17.323,80.569 17.323,77.724 20.447,77.724 20.447,81.94 14.884,81.94 14.884,83.668 17.094,83.668 17.094,87.02
NetD7_2 on Top Layer "Top Layer-NetD7_2" (solid, pour order 1013): 75.438,86.944 75.438,84.15 80.289,84.15 84.049,84.15 84.049,86.944
5V on Top Layer "Top Layer-5V" (solid, pour order 1015): 74.574,96.469 74.574,93.421 71.145,89.992 71.145,88.773 72.415,88.773 75.311,91.669 77.572,91.669 77.572,96.469
VBUS on Top Layer "Top Layer-VBUS 2" (solid, remove dead copper, pour order 1023): 3.124,84.176 3.124,64.541 10.135,57.531 12.306,57.531 12.306,60.235 6.68,65.72 6.68,81.432 13.894,81.432 13.894,84.176
NetL1_2 on Top Layer "Top Layer-NetL1_2" (solid, pour order 1002): 6.934,68.871 6.934,65.837 18.796,65.837 18.796,68.846
NetC5_2 on Top Layer "Top Layer-NetC5_2" (solid, remove dead copper, pour order 1025): 49.479,94.183 49.479,90.297 50.114,90.297 50.114,92.7 54.295,92.7 54.305,92.71 54.305,90.322 54.915,90.322 54.915,94.183
AGND on Bottom Layer "Top Layer-No Net" (solid, remove dead copper, pour order 1078): 0.01,0.021 92.01,0.021 92.01,100.021 35.01,100.021 35.01,88.021 0.01,88.021 0.01,88.007
DGND on Bottom Layer "Bottom Layer-DGND" (solid, remove dead copper, pour order 1074): 73.203,51.308 61.291,51.308 58.396,48.412 53.137,48.412 53.137,46.456 54.966,46.456 54.966,43.891 53.796,42.721 53.796,35.993 56.312,33.477 65.799,33.477 65.811,33.465 69.278,36.932 75.209,36.932 75.209,49.486
VBUS on Bottom Layer "Bottom Layer-VBUS" (solid, remove dead copper, pour order 1072): 29.413,51.308 26.645,51.308 26.645,48.362 29.413,48.362
BAT+ on Bottom Layer "Bottom Layer-BAT+" (solid, pour order 1017): 23.546,68.529 23.546,66.09 27.768,61.874 27.737,61.843 27.737,53.797 36.159,53.797 36.159,58.166 33.817,58.166 33.68,58.029 33.68,62.56 27.711,68.529
3V3 on Bottom Layer "3V3_L02_P047" (solid, remove dead copper, pour order 1011): 82.334,79.245 82.334,76.441 83.49,75.286 83.49,70.561 83.49,66.751 84.684,66.751 84.684,70.612 84.684,75.286 85.827,76.429 85.827,79.251
NetD7_2 on Bottom Layer "Bottom Layer-NetD7_2" (solid, pour order 1014): 78.816,86.944 78.816,86.03 83.591,86.03 83.591,86.944
VIN on Bottom Layer "Bottom Layer-VIN" (solid, pour order 1021): 49.225,76.431 49.225,85.979 37.186,85.979 37.186,87.249 19.025,87.249 19.025,84.988 31.905,84.988 31.899,83.134 46.38,83.134 46.38,76.431
VBUS on Bottom Layer "Bottom Layer-VBUS 1" (solid, pour order 1022): 12.522,87.249 12.522,83.668 17.094,83.668 17.094,87.249
BAT1+ on Bottom Layer "Bottom Layer-BAT1+" (solid, remove dead copper, pour order 1024): 37.008,83.083 37.008,79.654 38.887,79.654 38.887,76.378 40.564,76.378 40.564,79.681 42.291,79.681 42.291,83.083
NetQ17_2 on Bottom Layer "Bottom Layer-NetQ17_2" (solid, pour order 1019): 43.002,73.762 43.002,67.361 55.601,67.361 55.601,73.787
NetQ11_2 on Bottom Layer "Bottom Layer-NetQ11_2" (solid, pour order 1018): 34.214,73.787 34.214,60.401 40.843,60.401 40.843,73.787
VIN_DC on Bottom Layer "Bottom Layer-VIN_DC" (solid, pour order 1020): 59.512,89.992 59.512,87.532 57.859,85.928 54.051,85.928 54.051,76.454 55.804,76.454 55.804,83.134 60.223,83.134 62.484,85.395 62.484,89.967 61.577,90.874 60.394,90.874
NetC5_2 on Bottom Layer "Bottom Layer-NetC5_2" (solid, remove dead copper, pour order 1026): 34.976,100.025 34.95,100 34.95,87.274 37.16,87.274 37.186,87.249 37.186,86.004 46.482,86.004 46.482,92.812 61.519,92.812 61.519,100
VOUT_GND on Bottom Layer "Bottom Layer-VOUT_GND" (solid, pour order 1009): 33.102,10.084 33.102,0.381 40.945,0.381 40.945,4.978 35.662,4.978 35.662,10.084
NetB1_6 on Bottom Layer "Top Layer-NetB1_6" (solid, pour order 1012): 75.235,10.414 75.235,5.029 78.537,5.029 78.537,1.372 81.077,1.372 81.077,10.414

## Keep-outs
Bottom Layer:
  region: 6.096,49.809
Keep-Out Layer:
  lines w0.254: 0,88 35,88 35,100 92,100 92,0 0,0 ; 91.999,0 91.999,100 ; 0,0 0,87.986 0,0

## Other copper
Top Layer:
  pour cut-out: 74.016,90.094 74.016,86.258 78.664,86.258 78.664,91.56 75.489,91.567
  pour cut-out: 4.877,41.58 4.877,35.89 7.391,35.89 7.391,33.198 4.851,33.198 4.851,27.483 13.64,27.483 13.64,38.379 13.64,41.58
  pour cut-out: 55.448,41.956 55.448,36.948 58.649,36.948 58.649,41.961
  pour cut-out: 6.68,77.953 6.68,69.126 15.24,69.126 15.24,77.912
Bottom Layer:
  pour cut-out: 74.016,90.094 74.016,86.258 78.664,86.258 78.664,91.56 75.489,91.567
  pour cut-out: 4.877,41.58 4.877,35.89 7.391,35.89 7.391,33.198 4.851,33.198 4.851,27.483 13.614,27.483 13.614,41.58
  pour cut-out: 55.448,41.956 55.448,36.948 58.649,36.948 58.649,41.961
  pour cut-out: 55.194,41.961
  pour cut-out: 3.429,79.553 3.429,67.513 15.799,67.513 15.799,79.553

## Silkscreen, mask and mechanical layers (free items; w line width, h text height)
Top Overlay:
  text "PowerSupply V1.1" at 3.581,2.337 h2.03
  text "20210114" at 3.505,0.508 h2.03
  text "MB" at 15.596,0.483 h2.03
Top Solder:
  rectangle: 88.999,0 91.999,100
  rectangle: 0,0 3,87.986
Bottom Solder:
  rectangle: 88.999,0 91.999,100
  rectangle: 0,0 3,87.986
Mechanical 1:
  lines w0.254: 91.999,0 0,0 0,88 35,88 35,100 91.999,100 ; 92,0 92,100

## Text inside footprints (layer, text, board x,y; h text height)
B2: Bottom Overlay "+" at 59.478,29.519 h1.5 r45
JP3: Top Overlay "36" at 71.679,3.302 h1.02; Top Overlay "35" at 71.679,0.762 h1.02; Top Overlay "1" at 24.689,0.762 h1.02; Top Overlay "2" at 24.435,3.302 h1.02